# KiCad board data-center-rdimm-ddr4-tester.kicad_pcb (continued)
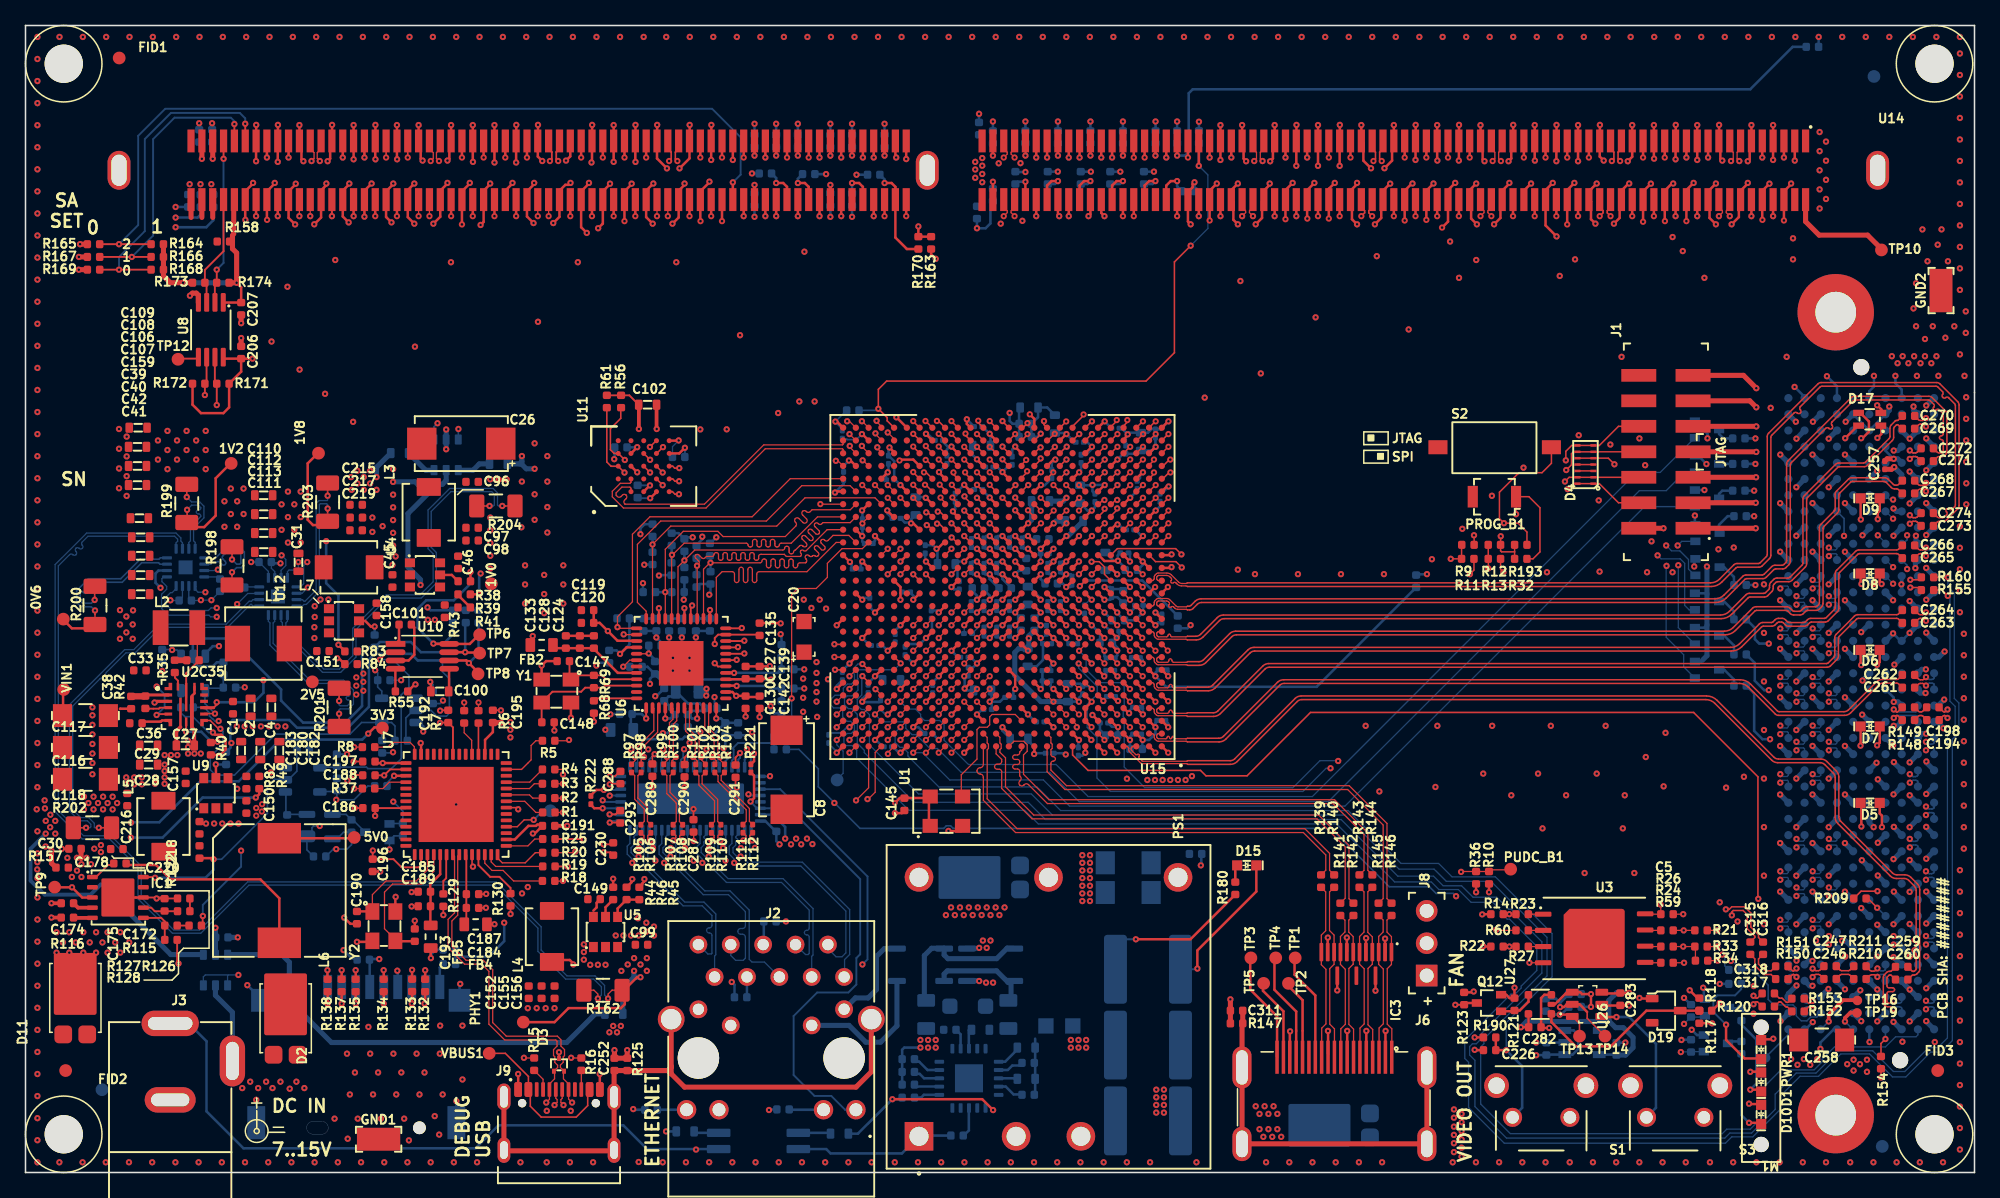
[diagram p0: board, top side]
## Routing (per net, layer and track width the routed paths; a pad name or vN(x,y) marks a point on that pad's centre or on a via; arc(x,y) is an arc through that point) (continued)
CK0_N: length 41.3
  Top w0.1: 76.74,80.94 76.74,80.32 77.01,80.05 77.01,79.91 v2(76.74,79.64)
  Top w0.127: v2(78.6,58.8) 78.24,58.44 U15.AF12
  In2.Cu w0.1: 78.96,60.47 78.96,60.03 79.19,59.8 79.19,58.77 78.92,58.5 78.75,58.5 78.6,58.65 v2(78.6,58.8)
  In2.Cu w0.143: v2(76.74,79.64) 77.01,79.37 77.01,77.12 75.55,75.66 75.55,73.84 76.84,72.55 79.04,72.55 79.85,71.74 79.85,71.25 arc(79.76,71.04) 79.55,70.95 79.55,70.95 79.55,70.95 77.84,70.95 77.84,70.95 arc(77.41,70.78) 77.24,70.35 arc(77.41,69.93) 77.84,69.75 77.84,69.75 82.48,69.75 arc(82.69,69.66) 82.78,69.45 arc(82.69,69.24) 82.48,69.15 79.12,69.15 arc(78.7,68.98) 78.52,68.55 arc(78.7,68.13) 79.12,67.95 79.55,67.95 arc(79.76,67.86) 79.85,67.65 79.85,67.56 78.96,66.67 78.96,62.05 arc(78.91,61.92) 78.78,61.87 78.76,61.87 arc(78.64,61.82) 78.58,61.7 arc(78.64,61.57) 78.76,61.52 78.78,61.52 arc(78.91,61.47) 78.96,61.35 arc(78.91,61.22) 78.78,61.17 78.76,61.17 arc(78.64,61.12) 78.58,61 arc(78.64,60.87) 78.76,60.82 78.78,60.82 arc(78.91,60.77) 78.96,60.65 78.96,60.47
CK0_P: length 40.9
  Top w0.1: v2(77.59,79.64) 77.31,79.91 77.31,80.05 77.59,80.32 77.59,80.94
  Top w0.127: v2(78.6,57.94) 78.6,57.9 U15.AE12
  In2.Cu w0.1: v2(78.6,57.94) 78.6,58.1 78.73,58.23 79.04,58.23 79.46,58.66 79.46,59.91 79.26,60.11 79.26,60.47
  In2.Cu w0.143: 79.26,60.47 79.26,66.54 80.15,67.44 80.15,67.65 arc(79.97,68.08) 79.55,68.25 79.12,68.25 arc(78.91,68.34) 78.82,68.55 arc(78.91,68.76) 79.12,68.85 82.48,68.85 arc(82.9,69.03) 83.08,69.45 arc(82.9,69.88) 82.48,70.05 82.48,70.05 77.84,70.05 arc(77.63,70.14) 77.54,70.35 arc(77.63,70.56) 77.84,70.65 79.55,70.65 79.55,70.65 arc(79.97,70.83) 80.15,71.25 80.15,71.86 79.16,72.85 76.96,72.85 75.85,73.96 75.85,75.54 77.31,77 77.31,79.37 v2(77.59,79.64)
CK1_N: length 41.1
  Top w0.1: v2(76.74,75.04) 77.01,75.31 77.01,75.45 76.74,75.72 76.74,76.34
  Top w0.127: U15.AC12 78.14,55.54 78.5,55.9 v2(78.5,55.91)
  In2.Cu w0.1: v2(78.5,55.91) 78.5,55.9 78.79,55.61 79.86,55.61 80.06,55.82 80.06,58.46 80.37,58.76 80.37,59.64 80.04,59.97 80.04,60.5
  In2.Cu w0.143: v2(76.74,75.04) 76.78,75.04 77.01,74.81 77.01,74.38 77.44,73.95 81,73.95 arc(81.18,73.88) 81.25,73.7 81.25,73.37 arc(81.41,72.98) 81.8,72.82 arc(82.19,72.98) 82.35,73.37 82.35,73.7 arc(82.42,73.88) 82.6,73.95 82.93,73.95 83.85,73.03 83.85,72.9 arc(84.02,72.49) 84.43,72.32 84.84,72.32 arc(85.03,72.24) 85.11,72.05 arc(85.03,71.86) 84.84,71.78 81.36,71.78 arc(80.96,71.61) 80.79,71.2 arc(80.96,70.79) 81.36,70.62 83.57,70.62 arc(83.77,70.54) 83.85,70.35 83.85,69.16 80.04,65.35 80.04,62.06 arc(79.99,61.94) 79.86,61.89 79.86,61.89 arc(79.73,61.84) 79.68,61.71 arc(79.73,61.59) 79.86,61.54 79.86,61.54 arc(79.99,61.49) 80.04,61.36 arc(79.99,61.24) 79.86,61.19 79.86,61.19 arc(79.73,61.14) 79.68,61.01 arc(79.73,60.89) 79.86,60.84 79.86,60.84 arc(79.99,60.79) 80.04,60.66 80.04,60.5
CK1_P: length 40.8
  Top w0.1: v2(77.59,75.04) 77.31,75.31 77.31,75.45 77.59,75.72 77.59,76.34
  Top w0.127: v2(78.57,55.02) 78.57,54.95 78.14,54.52 U15.AB12
  In2.Cu w0.1: v2(78.57,55.02) 78.57,55.11 78.8,55.34 79.95,55.34 80.34,55.73 80.34,58.34 80.63,58.64 80.63,59.76 80.34,60.06 80.34,60.5 80.34,60.5
  In2.Cu w0.143: 80.34,60.5 80.34,65.22 84.15,69.04 84.15,70.35 arc(83.98,70.76) 83.57,70.92 81.36,70.92 arc(81.17,71.01) 81.09,71.2 arc(81.17,71.39) 81.36,71.47 84.84,71.47 arc(85.24,71.64) 85.41,72.05 arc(85.24,72.46) 84.84,72.62 84.43,72.62 arc(84.23,72.71) 84.15,72.9 84.15,73.15 83.05,74.25 82.6,74.25 arc(82.21,74.09) 82.05,73.7 82.05,73.37 arc(81.98,73.2) 81.8,73.12 arc(81.62,73.2) 81.55,73.37 81.55,73.7 arc(81.39,74.09) 81,74.25 77.56,74.25 77.31,74.5 77.31,74.81 77.54,75.04 v2(77.59,75.04)
CKE0: length 44.8
  Top w0.127: U15.AA8 v2(81.64,53.94)
  Top w0.2: 89.49,80.94 v1(89.49,79.64)
  In2.Cu w0.1: 83.2,60.45 83.2,60.3 83,60.1 82.74,60.1 82.3,59.66 82.3,58.3 82.19,58.19 82.19,54.49 v2(81.64,53.94)
  In2.Cu w0.16: 83.2,60.45 83.2,62 84.23,63.03 87.03,63.03 88.93,64.92 88.93,66.25 arc(88.85,66.43) 88.68,66.5 88.57,66.5 arc(88.39,66.57) 88.32,66.75 arc(88.39,66.93) 88.57,67 89.28,67 arc(89.46,67.07) 89.53,67.25 arc(89.46,67.43) 89.28,67.5 88.52,67.5 arc(88.34,67.57) 88.27,67.75 arc(88.34,67.93) 88.52,68 89.28,68 arc(89.46,68.07) 89.53,68.25 arc(89.46,68.43) 89.28,68.5 88.52,68.5 arc(88.34,68.57) 88.27,68.75 arc(88.34,68.93) 88.52,69 89.28,69 arc(89.46,69.07) 89.53,69.25 arc(89.46,69.43) 89.28,69.5 88.52,69.5 arc(88.34,69.57) 88.27,69.75 arc(88.34,69.93) 88.52,70 89.28,70 arc(89.46,70.07) 89.53,70.25 arc(89.46,70.43) 89.28,70.5 89.18,70.5 arc(89,70.57) 88.93,70.75 88.93,75.62 89.49,76.19 89.49,76.54 arc(89.56,76.71) 89.74,76.79 90.24,76.79 arc(90.41,76.86) 90.49,77.04 arc(90.41,77.21) 90.24,77.29 89.74,77.29 arc(89.56,77.36) 89.49,77.54 89.49,77.76 arc(89.41,77.94) 89.24,78.01 89.19,78.01 arc(89.01,78.08) 88.94,78.26 arc(89.01,78.44) 89.19,78.51 90.24,78.51 arc(90.41,78.58) 90.49,78.76 arc(90.41,78.94) 90.24,79.01 89.74,79.01 arc(89.56,79.08) 89.49,79.26 v1(89.49,79.64)
CKE1\NC: length 43.7
  Top w0.127: U15.AA7 v2(82.64,53.94)
  Top w0.2: 90.34,76.34 v2(90.34,75.04)
  In2.Cu w0.1: 83.8,60.45 83.8,60.25 83.45,59.9 82.83,59.9 82.58,59.65 82.58,59.02 83.08,58.52 83.08,54.38 v2(82.64,53.94)
  In2.Cu w0.16: v2(90.34,75.04) 89.85,74.55 89.85,74 arc(89.78,73.82) 89.6,73.75 89.45,73.75 arc(89.27,73.68) 89.2,73.5 arc(89.27,73.32) 89.45,73.25 90.2,73.25 arc(90.38,73.18) 90.45,73 arc(90.38,72.82) 90.2,72.75 89.45,72.75 arc(89.27,72.68) 89.2,72.5 arc(89.27,72.32) 89.45,72.25 90.2,72.25 arc(90.38,72.18) 90.45,72 arc(90.38,71.82) 90.2,71.75 89.45,71.75 arc(89.27,71.68) 89.2,71.5 arc(89.27,71.32) 89.45,71.25 90.2,71.25 arc(90.38,71.18) 90.45,71 arc(90.38,70.82) 90.2,70.75 90.1,70.75 arc(89.92,70.68) 89.85,70.5 89.85,67.2 arc(89.92,67.02) 90.1,66.95 arc(90.28,66.88) 90.35,66.7 90.35,66.65 arc(90.28,66.47) 90.1,66.4 89.6,66.4 arc(89.42,66.33) 89.35,66.15 89.35,66.1 arc(89.42,65.92) 89.6,65.85 90.1,65.85 arc(90.28,65.78) 90.35,65.6 90.35,65.55 arc(90.28,65.37) 90.1,65.3 89.6,65.3 arc(89.42,65.23) 89.35,65.05 89.35,65 arc(89.42,64.82) 89.6,64.75 arc(89.78,64.68) 89.85,64.5 89.85,64.38 89.62,64.15 arc(89.47,64.08) 89.31,64.15 89.27,64.18 arc(89.12,64.25) 88.96,64.18 arc(88.89,64.02) 88.96,63.86 89.34,63.48 arc(89.41,63.32) 89.34,63.16 arc(89.18,63.1) 89.02,63.16 88.64,63.55 arc(88.48,63.61) 88.32,63.55 arc(88.25,63.39) 88.32,63.23 88.7,62.84 arc(88.77,62.69) 88.7,62.53 arc(88.54,62.46) 88.38,62.53 88.35,62.56 arc(88.19,62.62) 88.03,62.56 87.68,62.2 87.53,62.2 arc(87.37,62.13) 87.3,61.97 87.3,61.93 arc(87.23,61.77) 87.07,61.7 arc(86.92,61.77) 86.85,61.93 86.85,62.47 arc(86.78,62.63) 86.62,62.7 arc(86.47,62.63) 86.4,62.47 86.4,61.93 arc(86.33,61.77) 86.18,61.7 arc(86.02,61.77) 85.95,61.93 85.95,62.47 arc(85.88,62.63) 85.72,62.7 arc(85.57,62.63) 85.5,62.47 85.5,62.42 arc(85.43,62.27) 85.28,62.2 84.7,62.2 83.8,61.3 83.8,60.45
CLK_DIR: length 121.8
  Top w0.127: v1(65.65,38.95) 66.14,38.46 U15.F24
  Bottom w0.1: v1(65.65,38.95) 65.6,38.9 65.6,37.47 65.25,37.12 65.25,36.65 65.57,36.33 65.8,36.33 66.2,35.93 66.2,33.55 70.05,29.7 78.9,29.7 80.55,28.05 103.5,28.05 107.75,23.8 110.5,23.8 111.45,22.85 114.95,22.85 119.35,18.45 119.35,15.42 114.4,10.47 114.4,10.1 114.15,9.85 114.15,5.38 116.47,3.05 133.1,3.05 133.45,3.4 135.3,3.4 136.45,4.55 136.45,6.8 137.7,8.05 140.3,8.05 140.94,8.69 140.94,8.89 141.9,9.85 145.9,9.85 146.7,10.65 148.3,10.65 148.44,10.8 148.44,11.23
DBG_USB_N: length 29.8
  Top w0.1: 42.1,6.46 42.1,5.81 42,5.72 42,5.49 v1(42.2,5.29) ; U7.7 33.66,24.82 33.66,20.37 33.15,19.86 33.15,17.64 34.44,16.35 35.79,16.35 36.35,15.79 36.35,11.64 37.59,10.4 41.6,10.4 41.7,10.3 41.7,9.92 41.42,9.64 41.42,9.18 41.52,9.08 41.52,8.64 41.74,8.42 41.74,8.24 41.5,8 41.5,7.35 41.1,6.95 41.1,6.59 ; v1(40.85,5.49) 41.1,5.74 41.1,6.46
  In2.Cu w0.1: v1(40.85,5.49) 41.08,5.72 41.77,5.72 v1(42.2,5.29)
DBG_USB_P: length 29.8
  Top w0.1: 34.03,24.94 33.91,24.82 33.91,20.19 33.45,19.74 33.45,17.76 34.56,16.65 35.91,16.65 36.65,15.91 36.65,11.76 37.71,10.7 41.72,10.7 42,10.42 42,9.92 42.28,9.64 42.28,9.17 42.18,9.07 42.18,8.65 41.96,8.43 41.96,8.24 42.2,8 42.2,7.35 42.6,6.95 42.6,6.59 ; 41.6,6.46 41.6,5.83 41.7,5.73 41.7,5.49 v1(41.5,5.29) ; v1(42.88,5.49) 42.6,5.76 42.6,6.46
  In9.Cu w0.1: v1(42.88,5.49) 42.64,5.72 41.93,5.72 v1(41.5,5.29)
DDR_PRESENCE: length 49.3
  Top w0.127: v1(91.4,72.72) 90.12,71.45 90.12,64.33 87.9,62.1 67.55,62.1 66.9,61.45 v1(66.9,59.92) 67.59,59.23 67.59,58.99 U15.AF22
  Top w0.2: U14.57 v1(92.04,78.99)
  Bottom w0.1: v1(91.4,72.72) 92.75,74.07 92.75,78.28 v1(92.04,78.99)
  Bottom w0.127: v1(66.9,59.92) 66.77,59.8 65.38,59.8
  Bottom w0.2: v1(92.04,78.99) 92.05,79 R185.2
DONE: length 74.6
  Top w0.1: v1(82.65,40.94) 83.14,41.43 U15.J7
  In9.Cu w0.1: v1(130.1,11.66) 130.1,12 131.21,13.11 131.21,14.86 131.3,14.95 131.3,20 130.1,21.2 129.2,21.2 128.8,21.6 122.5,21.6 113.5,30.6 111.45,30.6 110.95,31.1 104.16,31.1 v1(102.97,32.29)
  Bottom w0.1: v1(82.65,40.94) 83.2,40.39 83.2,39.47 84.23,38.44 85.88,38.44 86.19,38.14 86.19,36.22 86.11,36.15 86.11,35.77 86.19,35.69 86.19,31.81 87.8,30.2 99.43,30.2 101.54,32.31 102.95,32.31 v1(102.97,32.29) ; 131.59,12.2 R57.2 130.64,12.2 v1(130.1,11.66)
DQ0: length 78.1
  Top w0.127: U15.U5 85.64,49.94 v1(85.66,49.94)
  Top w0.2: 136.24,80.94 v1(136.24,79.64)
  In9.Cu w0.1: 91.2,50.6 87.59,50.6 86.93,49.94 v1(85.66,49.94)
  In9.Cu w0.16: 91.2,50.6 96.12,50.6 96.72,50 100.8,50 arc(100.99,50.08) 101.07,50.28 101.07,50.38 arc(101.16,50.57) 101.35,50.65 arc(101.54,50.57) 101.62,50.38 101.62,49.62 arc(101.71,49.43) 101.9,49.35 arc(102.09,49.43) 102.18,49.62 102.18,49.72 arc(102.26,49.92) 102.45,50 102.5,50 102.76,50.27 arc(102.85,50.48) 102.76,50.69 102.63,50.82 arc(102.55,51.03) 102.63,51.24 arc(102.85,51.33) 103.06,51.24 103.74,50.56 arc(103.96,50.47) 104.17,50.56 arc(104.26,50.77) 104.17,50.98 103.48,51.67 arc(103.4,51.88) 103.48,52.09 arc(103.7,52.18) 103.91,52.09 104.04,51.96 arc(104.25,51.87) 104.46,51.96 106.13,53.63 114,61.5 130.3,61.5 136.24,67.44 v1(136.24,79.64)
DQ1: length 78.1
  Top w0.127: v1(84.66,50.94) 84.64,50.94 U15.V6
  Top w0.2: 135.39,76.34 v1(135.39,75.04)
  In9.Cu w0.1: 91.2,51.1 87.53,51.1 86.87,50.43 85.17,50.43 v1(84.66,50.94)
  In9.Cu w0.16: v1(135.39,75.04) 135.39,68.59 129.8,63 113.38,63 107.5,57.12 107.5,56.53 107.22,56.25 arc(107.15,56.09) 107.22,55.93 107.27,55.87 arc(107.34,55.71) 107.27,55.55 arc(107.11,55.49) 106.95,55.55 106.52,55.98 arc(106.37,56.05) 106.21,55.98 arc(106.14,55.83) 106.21,55.67 106.64,55.24 arc(106.7,55.08) 106.64,54.92 arc(106.48,54.85) 106.32,54.92 105.89,55.35 arc(105.73,55.41) 105.57,55.35 arc(105.5,55.19) 105.57,55.03 106,54.6 arc(106.07,54.44) 106,54.28 arc(105.84,54.22) 105.68,54.28 105.25,54.71 arc(105.09,54.78) 104.93,54.71 arc(104.87,54.55) 104.93,54.39 105.36,53.96 arc(105.43,53.8) 105.36,53.65 arc(105.2,53.58) 105.05,53.65 104.62,54.08 arc(104.46,54.14) 104.3,54.08 arc(104.23,53.92) 104.3,53.76 104.73,53.33 arc(104.79,53.17) 104.73,53.01 arc(104.57,52.94) 104.41,53.01 104.35,53.06 arc(104.19,53.13) 104.03,53.06 103.89,52.92 102.67,52.92 100.5,50.75 100.23,50.75 arc(100.09,50.69) 100.03,50.55 arc(99.97,50.41) 99.83,50.35 99.78,50.35 arc(99.64,50.41) 99.58,50.55 99.58,50.95 arc(99.52,51.09) 99.38,51.15 99.33,51.15 arc(99.19,51.09) 99.13,50.95 99.13,50.55 arc(99.07,50.41) 98.93,50.35 98.88,50.35 arc(98.74,50.41) 98.68,50.55 98.68,50.95 arc(98.62,51.09) 98.48,51.15 98.43,51.15 arc(98.29,51.09) 98.23,50.95 98.23,50.55 arc(98.17,50.41) 98.03,50.35 97.98,50.35 arc(97.84,50.41) 97.78,50.55 arc(97.72,50.69) 97.58,50.75 97.45,50.75 97.1,51.1 91.2,51.1
DQ2: length 73.3
  Top w0.127: v1(84.66,54.94) 84.64,54.94 U15.AB6
  Top w0.2: 130.29,80.94 v1(130.29,79.64)
  In9.Cu w0.1: v1(84.66,54.94) 85.15,55.43 88.73,55.43 88.9,55.6 91.2,55.6
  In9.Cu w0.16: 91.2,55.6 93.2,55.6 99.1,61.5 arc(99.18,61.69) 99.1,61.89 98.98,62.01 arc(98.9,62.21) 98.98,62.4 arc(99.17,62.48) 99.37,62.4 100,61.77 arc(100.19,61.69) 100.39,61.77 arc(100.47,61.96) 100.39,62.16 99.76,62.79 arc(99.68,62.98) 99.76,63.18 arc(99.95,63.26) 100.14,63.18 100.78,62.54 arc(100.97,62.46) 101.17,62.54 arc(101.25,62.74) 101.17,62.93 100.53,63.57 arc(100.45,63.76) 100.53,63.96 arc(100.73,64.04) 100.92,63.96 101.56,63.32 arc(101.75,63.24) 101.94,63.32 arc(102.02,63.52) 101.94,63.71 101.31,64.34 arc(101.23,64.54) 101.31,64.73 arc(101.51,64.81) 101.7,64.73 102.33,64.1 arc(102.53,64.02) 102.72,64.1 arc(102.8,64.29) 102.72,64.49 102.09,65.12 arc(102.01,65.32) 102.09,65.51 arc(102.28,65.59) 102.48,65.51 103.11,64.88 arc(103.31,64.8) 103.5,64.88 arc(103.58,65.07) 103.5,65.27 103.38,65.39 arc(103.3,65.58) 103.38,65.78 108.6,71 127.8,71 130.29,73.49 v1(130.29,79.64)
DQ3: length 72.5
  Top w0.127: U15.AC6 84.64,55.94 v1(84.66,55.94)
  Top w0.2: 129.44,76.34 v1(129.44,75.04)
  In9.Cu w0.1: v1(84.66,55.94) 85.08,56.36 86,56.36 86.23,56.13 91.19,56.13 91.2,56.14
  In9.Cu w0.16: 91.2,56.14 92.06,56.14 102.26,66.34 arc(102.34,66.53) 102.26,66.73 102.09,66.9 arc(102.01,67.09) 102.09,67.29 arc(102.28,67.37) 102.48,67.29 103.21,66.56 arc(103.4,66.48) 103.6,66.56 arc(103.68,66.75) 103.6,66.95 102.87,67.68 arc(102.79,67.87) 102.87,68.07 arc(103.06,68.15) 103.26,68.07 103.99,67.34 arc(104.18,67.26) 104.37,67.34 arc(104.46,67.53) 104.37,67.73 103.65,68.45 arc(103.57,68.65) 103.65,68.84 arc(103.84,68.92) 104.03,68.84 104.76,68.11 arc(104.96,68.03) 105.15,68.11 arc(105.23,68.31) 105.15,68.5 104.42,69.23 arc(104.34,69.43) 104.42,69.62 arc(104.62,69.7) 104.81,69.62 105.54,68.89 arc(105.74,68.81) 105.93,68.89 arc(106.01,69.09) 105.93,69.28 105.2,70.01 arc(105.12,70.2) 105.2,70.4 arc(105.4,70.48) 105.59,70.4 106.32,69.67 arc(106.51,69.59) 106.71,69.67 arc(106.79,69.86) 106.71,70.06 105.98,70.79 arc(105.9,70.98) 105.98,71.18 arc(106.17,71.26) 106.37,71.18 107.1,70.45 arc(107.29,70.37) 107.49,70.45 arc(107.57,70.64) 107.49,70.84 106.76,71.57 arc(106.68,71.76) 106.76,71.95 arc(106.95,72.04) 107.15,71.95 107.32,71.78 arc(107.51,71.7) 107.7,71.78 108.27,72.35 127.35,72.35 129.44,74.44 v1(129.44,75.04)
DQ4: length 79.1
  Top w0.127: v1(83.66,49.94) 83.64,49.94 U15.U7
  Top w0.2: 137.94,80.94 v1(137.94,79.64)
  In9.Cu w0.1: 84.34,49.26 84.5,49.1 89.35,49.1 89.75,49.5 91.1,49.5
  In9.Cu w0.127: v1(83.66,49.94) 84.34,49.26
  In9.Cu w0.16: 91.1,49.5 94.1,49.5 95.8,47.8 104.8,47.8 115.5,58.5 131.1,58.5 137.94,65.34 v1(137.94,79.64)
DQ5: length 78.1
  Top w0.127: v1(84.66,49.94) 84.64,49.94 U15.U6
  Top w0.2: 137.09,76.34 v1(137.09,75.04)
  In9.Cu w0.1: 91.1,50 88.9,50 88.39,49.49 85.11,49.49 v1(84.66,49.94)
  In9.Cu w0.16: v1(137.09,75.04) 137.09,66.39 130.7,60 114.5,60 103.45,48.95 101.37,48.95 arc(101.16,48.86) 101.07,48.65 101.07,48.61 arc(100.98,48.39) 100.77,48.31 arc(100.56,48.39) 100.47,48.61 100.47,49.29 arc(100.38,49.51) 100.17,49.59 arc(99.96,49.51) 99.87,49.29 99.87,48.61 arc(99.78,48.39) 99.57,48.31 arc(99.36,48.39) 99.27,48.61 99.27,49.29 arc(99.18,49.51) 98.97,49.59 arc(98.76,49.51) 98.67,49.29 98.67,48.61 arc(98.58,48.39) 98.37,48.31 arc(98.16,48.39) 98.07,48.61 98.07,49.29 arc(97.98,49.51) 97.77,49.59 arc(97.56,49.51) 97.47,49.29 97.47,48.61 arc(97.38,48.39) 97.17,48.31 arc(96.96,48.39) 96.87,48.61 96.87,48.65 arc(96.78,48.86) 96.57,48.95 96.35,48.95 95.3,50 91.1,50
DQ6: length 73.5
  Top w0.127: U15.AA5 85.64,53.94 v1(85.66,53.94)
  Top w0.2: U14.10 v1(131.99,79.64)
  In9.Cu w0.1: v1(85.66,53.94) 85.92,54.2 89.1,54.2 89.2,54.3 91.2,54.3
  In9.Cu w0.16: v1(131.99,79.64) 131.99,71.59 128.4,68 109.4,68 104.4,63 arc(104.32,62.82) 104.4,62.64 104.41,62.62 arc(104.49,62.45) 104.41,62.27 arc(104.24,62.2) 104.06,62.27 103.67,62.66 arc(103.49,62.73) 103.32,62.66 arc(103.24,62.48) 103.32,62.31 103.71,61.92 arc(103.78,61.74) 103.71,61.56 arc(103.53,61.49) 103.35,61.56 102.96,61.95 arc(102.79,62.03) 102.61,61.95 arc(102.54,61.78) 102.61,61.6 103,61.21 arc(103.07,61.03) 103,60.86 arc(102.82,60.78) 102.65,60.86 102.26,61.25 arc(102.08,61.32) 101.9,61.25 arc(101.83,61.07) 101.9,60.89 102.29,60.5 arc(102.37,60.33) 102.29,60.15 arc(102.12,60.08) 101.94,60.15 101.55,60.54 arc(101.37,60.61) 101.2,60.54 arc(101.12,60.36) 101.2,60.19 101.59,59.8 arc(101.66,59.62) 101.59,59.44 arc(101.41,59.37) 101.23,59.44 100.84,59.83 arc(100.67,59.91) 100.49,59.83 arc(100.42,59.66) 100.49,59.48 100.88,59.09 arc(100.95,58.91) 100.88,58.74 arc(100.7,58.66) 100.53,58.74 100.14,59.13 arc(99.96,59.2) 99.78,59.13 arc(99.71,58.95) 99.78,58.77 99.8,58.75 arc(99.87,58.58) 99.8,58.4 95.7,54.3 91.2,54.3
DQ7: length 73.9
  Top w0.127: U15.AB5 85.64,54.94 v1(85.66,54.94)
  Top w0.2: 131.14,76.34 v1(131.14,75.04)
  In9.Cu w0.1: v1(85.66,54.94) 86.79,54.94 87.22,54.51 88.58,54.51 89.05,54.98 91.2,54.98
  In9.Cu w0.16: 91.2,54.98 94.38,54.98 94.5,55.1 arc(94.69,55.18) 94.89,55.1 95.07,54.92 arc(95.26,54.84) 95.46,54.92 arc(95.54,55.11) 95.46,55.31 94.71,56.06 arc(94.63,56.25) 94.71,56.45 arc(94.9,56.53) 95.1,56.45 95.85,55.7 arc(96.04,55.62) 96.24,55.7 arc(96.32,55.89) 96.24,56.09 95.49,56.84 arc(95.41,57.03) 95.49,57.22 arc(95.68,57.31) 95.88,57.22 96.62,56.48 arc(96.82,56.39) 97.01,56.48 arc(97.09,56.67) 97.01,56.86 96.26,57.61 arc(96.18,57.81) 96.26,58 arc(96.46,58.08) 96.65,58 97.4,57.25 arc(97.6,57.17) 97.79,57.25 arc(97.87,57.45) 97.79,57.64 97.04,58.39 arc(96.96,58.59) 97.04,58.78 arc(97.24,58.86) 97.43,58.78 98.18,58.03 arc(98.37,57.95) 98.57,58.03 arc(98.65,58.23) 98.57,58.42 97.82,59.17 arc(97.74,59.36) 97.82,59.56 arc(98.01,59.64) 98.21,59.56 98.92,58.84 arc(99.12,58.76) 99.31,58.84 arc(99.39,59.04) 99.31,59.23 98.6,59.95 arc(98.52,60.14) 98.6,60.34 arc(98.79,60.42) 98.99,60.34 99.17,60.16 arc(99.36,60.08) 99.56,60.16 100.62,61.22 108.9,69.5 128.3,69.5 131.14,72.34 v1(131.14,75.04)
DQ8: length 68.1
  Top w0.127: v3(88.66,49.94) 88.64,49.94 U15.U2
  Top w0.2: 126.89,80.94 v3(126.89,79.64)
  In5.Cu w0.09: v3(88.66,49.94) 90.12,49.94 90.54,50.36 91.13,50.36
  In5.Cu w0.146: 91.13,50.36 95.66,50.36 96.6,51.3 102.94,51.3 arc(103.12,51.23) 103.19,51.05 103.19,50.95 arc(103.26,50.77) 103.44,50.7 arc(103.62,50.77) 103.69,50.95 103.69,51.65 arc(103.76,51.83) 103.94,51.9 arc(104.12,51.83) 104.19,51.65 104.19,50.95 arc(104.26,50.77) 104.44,50.7 arc(104.62,50.77) 104.69,50.95 104.69,51.65 arc(104.76,51.83) 104.94,51.9 arc(105.12,51.83) 105.19,51.65 105.19,50.95 arc(105.26,50.77) 105.44,50.7 arc(105.62,50.77) 105.69,50.95 105.69,51.65 arc(105.76,51.83) 105.94,51.9 arc(106.12,51.83) 106.19,51.65 106.19,50.95 arc(106.26,50.77) 106.44,50.7 arc(106.62,50.77) 106.69,50.95 106.69,51.05 arc(106.76,51.23) 106.94,51.3 107.6,51.3 107.7,51.4 arc(107.89,51.48) 108.09,51.4 108.12,51.37 arc(108.31,51.29) 108.51,51.37 arc(108.59,51.57) 108.51,51.76 108.06,52.21 arc(107.98,52.4) 108.06,52.59 arc(108.26,52.67) 108.45,52.59 108.89,52.15 arc(109.09,52.07) 109.28,52.15 arc(109.36,52.34) 109.28,52.54 108.84,52.98 arc(108.76,53.18) 108.84,53.37 arc(109.03,53.45) 109.23,53.37 109.26,53.34 arc(109.45,53.26) 109.64,53.34 110.79,54.49 126.89,70.59 v3(126.89,79.64)
DQ9: length 66.1
  Top w0.127: U15.Y3 87.64,52.94 v3(87.66,52.94)
  Top w0.2: 126.04,76.34 v3(126.04,75.04)
  In5.Cu w0.09: 91.13,50.88 90.53,50.88 90.1,50.45 87.46,50.45 87.15,50.77 87.15,52.43 v3(87.66,52.94)
  In5.Cu w0.146: 91.13,50.88 95.18,50.88 96.39,52.08 96.52,52.08 arc(96.66,52.14) 96.72,52.28 96.72,52.32 arc(96.78,52.46) 96.92,52.52 arc(97.06,52.46) 97.12,52.32 97.12,51.85 arc(97.18,51.71) 97.32,51.65 arc(97.46,51.71) 97.52,51.85 97.52,52.32 arc(97.58,52.46) 97.72,52.52 arc(97.86,52.46) 97.92,52.32 97.92,51.85 arc(97.98,51.71) 98.12,51.65 arc(98.26,51.71) 98.32,51.85 98.32,52.32 arc(98.38,52.46) 98.52,52.52 arc(98.66,52.46) 98.72,52.32 98.72,51.85 arc(98.78,51.71) 98.92,51.65 arc(99.06,51.71) 99.12,51.85 99.12,52.32 arc(99.18,52.46) 99.32,52.52 arc(99.46,52.46) 99.52,52.32 99.52,51.85 arc(99.58,51.71) 99.72,51.65 arc(99.86,51.71) 99.92,51.85 99.92,52.32 arc(99.98,52.46) 100.12,52.52 arc(100.26,52.46) 100.32,52.32 100.32,51.85 arc(100.38,51.71) 100.52,51.65 arc(100.66,51.71) 100.72,51.85 100.72,51.88 arc(100.78,52.02) 100.92,52.08 102.87,52.08 103.19,52.4 107.22,52.4 108.94,54.12 109.26,54.12 109.31,54.17 arc(109.45,54.23) 109.59,54.17 109.61,54.15 arc(109.75,54.09) 109.9,54.15 arc(109.95,54.29) 109.9,54.43 109.57,54.76 arc(109.51,54.9) 109.57,55.04 arc(109.71,55.1) 109.85,55.04 110.18,54.71 arc(110.32,54.66) 110.46,54.71 arc(110.52,54.86) 110.46,55 110.14,55.32 arc(110.08,55.46) 110.14,55.6 arc(110.28,55.66) 110.42,55.6 110.74,55.28 arc(110.89,55.22) 111.03,55.28 arc(111.09,55.42) 111.03,55.56 111.01,55.58 arc(110.95,55.73) 111.01,55.87 111.11,55.97 111.11,56.29 126.09,71.27 126.09,74.99 v3(126.04,75.04)
DQ10: length 63.8
  Top w0.127: U15.AC3 87.64,55.94 v3(87.66,55.94)
  Top w0.2: 120.94,80.94 v3(120.94,79.64)
  In5.Cu w0.09: v3(87.66,55.94) 89.14,55.94 89.97,56.77 91.11,56.77 91.13,56.75
  In5.Cu w0.146: v3(120.94,79.64) 120.94,75.14 111.05,65.25 arc(110.86,65.17) 110.66,65.25 110.56,65.36 arc(110.37,65.44) 110.17,65.36 arc(110.09,65.16) 110.17,64.97 110.77,64.37 arc(110.85,64.18) 110.77,63.98 arc(110.58,63.9) 110.38,63.98 109.78,64.58 arc(109.59,64.66) 109.39,64.58 arc(109.31,64.39) 109.39,64.19 109.99,63.59 arc(110.07,63.4) 109.99,63.2 arc(109.8,63.12) 109.6,63.2 109,63.8 arc(108.81,63.88) 108.62,63.8 arc(108.53,63.61) 108.62,63.41 109.21,62.82 arc(109.29,62.62) 109.21,62.43 arc(109.02,62.35) 108.82,62.43 108.23,63.02 arc(108.03,63.11) 107.84,63.02 arc(107.76,62.83) 107.84,62.64 108.44,62.04 arc(108.52,61.84) 108.44,61.65 arc(108.24,61.57) 108.05,61.65 107.45,62.25 arc(107.25,62.33) 107.06,62.25 arc(106.98,62.05) 107.06,61.86 107.66,61.26 arc(107.74,61.07) 107.66,60.87 arc(107.46,60.79) 107.27,60.87 106.67,61.47 arc(106.48,61.55) 106.28,61.47 arc(106.2,61.27) 106.28,61.08 106.88,60.48 arc(106.96,60.29) 106.88,60.09 arc(106.69,60.01) 106.49,60.09 105.89,60.69 arc(105.7,60.77) 105.5,60.69 arc(105.42,60.5) 105.5,60.3 106.1,59.7 arc(106.18,59.51) 106.1,59.32 arc(105.91,59.23) 105.71,59.32 105.61,59.42 arc(105.41,59.5) 105.22,59.42 104.9,59.1 94.6,59.1 92.25,56.75 91.13,56.75
DQ11: length 64.2
  Top w0.127: U15.AC4 86.15,55.44 v3(86.66,55.95)
  Top w0.2: 120.09,76.34 v3(120.09,75.04)
  In5.Cu w0.09: v3(86.66,55.95) 87.15,56.44 88.99,56.44 89.94,57.39 91.11,57.39
  In5.Cu w0.146: 91.11,57.39 91.89,57.39 94.7,60.2 arc(94.88,60.27) 94.95,60.45 94.95,60.64 arc(95.02,60.82) 95.2,60.89 arc(95.38,60.82) 95.45,60.64 95.45,59.76 arc(95.52,59.58) 95.7,59.51 arc(95.88,59.58) 95.95,59.76 95.95,60.64 arc(96.02,60.82) 96.2,60.89 arc(96.38,60.82) 96.45,60.64 96.45,59.76 arc(96.52,59.58) 96.7,59.51 arc(96.88,59.58) 96.95,59.76 96.95,60.64 arc(97.02,60.82) 97.2,60.89 arc(97.38,60.82) 97.45,60.64 97.45,59.76 arc(97.52,59.58) 97.7,59.51 arc(97.88,59.58) 97.95,59.76 97.95,60.64 arc(98.02,60.82) 98.2,60.89 arc(98.38,60.82) 98.45,60.64 98.45,59.76 arc(98.52,59.58) 98.7,59.51 arc(98.88,59.58) 98.95,59.76 98.95,60.64 arc(99.02,60.82) 99.2,60.89 arc(99.38,60.82) 99.45,60.64 99.45,59.76 arc(99.52,59.58) 99.7,59.51 arc(99.88,59.58) 99.95,59.76 99.95,60.64 arc(100.02,60.82) 100.2,60.89 arc(100.38,60.82) 100.45,60.64 100.45,59.76 arc(100.52,59.58) 100.7,59.51 arc(100.88,59.58) 100.95,59.76 100.95,60.64 arc(101.02,60.82) 101.2,60.89 arc(101.38,60.82) 101.45,60.64 101.45,59.76 arc(101.52,59.58) 101.7,59.51 arc(101.88,59.58) 101.95,59.76 101.95,60.64 arc(102.02,60.82) 102.2,60.89 arc(102.38,60.82) 102.45,60.64 102.45,59.76 arc(102.52,59.58) 102.7,59.51 arc(102.88,59.58) 102.95,59.76 102.95,60.64 arc(103.02,60.82) 103.2,60.89 arc(103.38,60.82) 103.45,60.64 103.45,59.76 arc(103.52,59.58) 103.7,59.51 arc(103.88,59.58) 103.95,59.76 103.95,59.95 arc(104.02,60.13) 104.2,60.2 104.5,60.2 119.34,75.04 v3(120.09,75.04)
DQ12: length 65.6
  Top w0.127: U15.W4 86.64,51.94 v3(86.66,51.94)
  Top w0.2: U14.14 v3(128.59,79.64)
  In5.Cu w0.09: 91.14,49.31 90.93,49.31 90.76,49.14 87.31,49.14 86.24,50.21 86.24,51.52 v3(86.66,51.94)
  In5.Cu w0.146: 91.14,49.31 108.91,49.31 128.59,68.99 v3(128.59,79.64)
DQ13: length 67.9
  Top w0.127: v3(86.66,50.94) 86.64,50.94 U15.V4
  Top w0.2: 127.74,76.34 v3(127.74,75.04)
  In5.Cu w0.09: v3(86.66,50.94) 86.66,50.35 87.52,49.49 90.41,49.49 90.75,49.83 91.14,49.83
  In5.Cu w0.146: 91.14,49.83 96.13,49.83 96.6,50.3 96.81,50.3 arc(96.99,50.37) 97.06,50.55 97.06,50.59 arc(97.13,50.77) 97.31,50.84 arc(97.49,50.77) 97.56,50.59 97.56,50.01 arc(97.63,49.83) 97.81,49.76 arc(97.99,49.83) 98.06,50.01 98.06,50.59 arc(98.13,50.77) 98.31,50.84 arc(98.49,50.77) 98.56,50.59 98.56,50.01 arc(98.63,49.83) 98.81,49.76 arc(98.99,49.83) 99.06,50.01 99.06,50.59 arc(99.13,50.77) 99.31,50.84 arc(99.49,50.77) 99.56,50.59 99.56,50.01 arc(99.63,49.83) 99.81,49.76 arc(99.99,49.83) 100.06,50.01 100.06,50.59 arc(100.13,50.77) 100.31,50.84 arc(100.49,50.77) 100.56,50.59 100.56,50.01 arc(100.63,49.83) 100.81,49.76 arc(100.99,49.83) 101.06,50.01 101.06,50.59 arc(101.13,50.77) 101.31,50.84 arc(101.49,50.77) 101.56,50.59 101.56,50.01 arc(101.63,49.83) 101.81,49.76 arc(101.99,49.83) 102.06,50.01 102.06,50.59 arc(102.13,50.77) 102.31,50.84 arc(102.49,50.77) 102.56,50.59 102.56,50.01 arc(102.63,49.83) 102.81,49.76 arc(102.99,49.83) 103.06,50.01 103.06,50.05 arc(103.13,50.23) 103.31,50.3 108.3,50.3 127.74,69.74 v3(127.74,75.04)
